# KiCad board LED_Matrix_Phone_Case.kicad_pcb (continued)
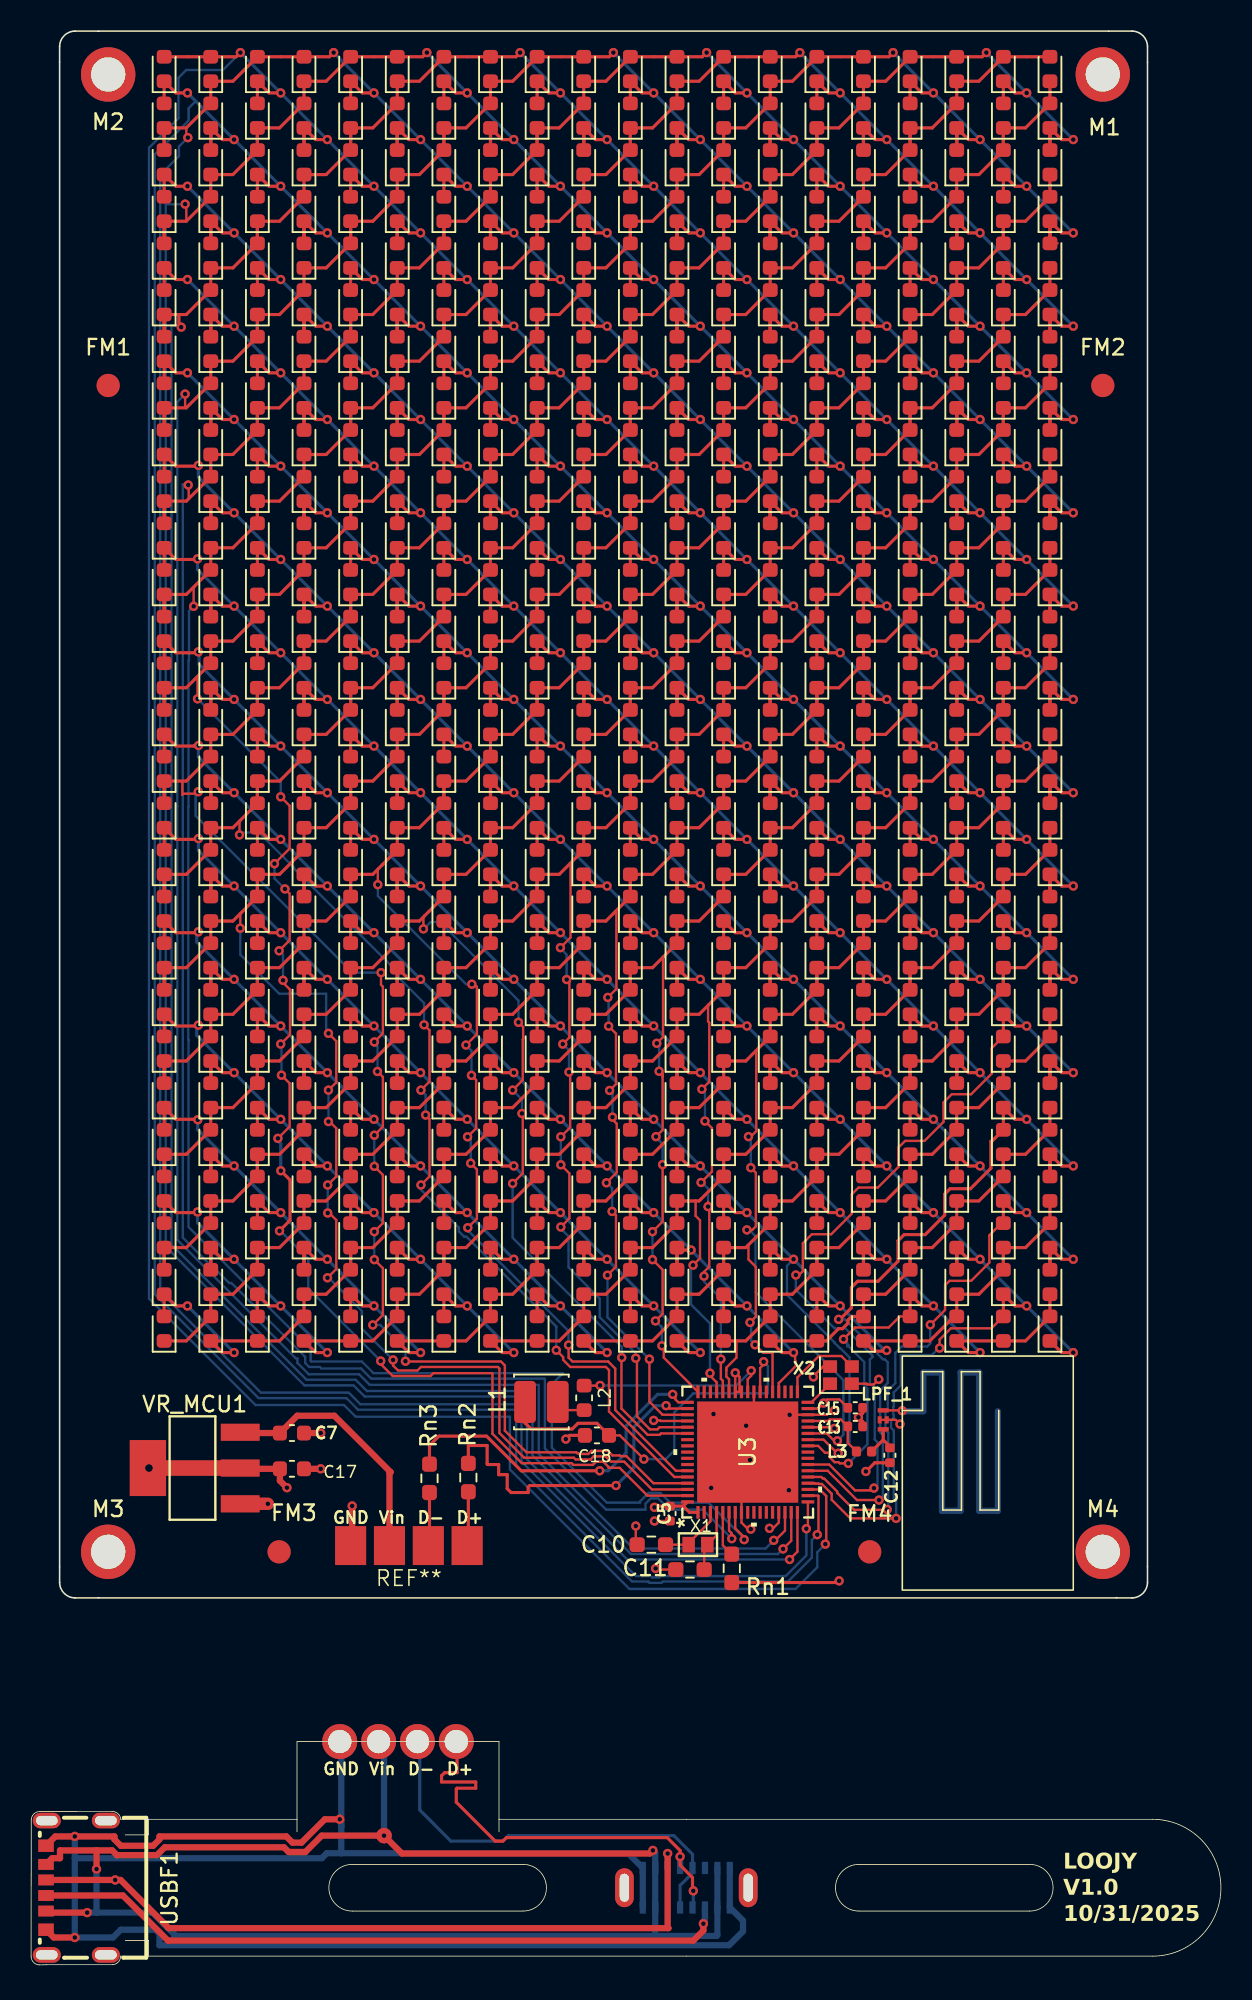
[diagram p0: board, top side]
## Nets (continued)
LED_24: REF**241.2 REF**242.1 REF**243.1 REF**284.2 REF**285.2 REF**286.1 REF**287.1 REF**328.2 REF**329.2 REF**330.1 REF**331.1 REF**372.2 REF**373.2 REF**374.1 REF**375.1 REF**416.2 REF**417.2 REF**418.1 REF**419.1 REF**460.2 REF**461.2 REF**462.1 REF**463.1 REF**504.2 REF**505.2 REF**506.1 REF**507.1 REF**517.1 REF**518.2 REF**520.1 REF**548.2 REF**549.2 REF**550.1 REF**551.1 REF**553.1 REF**554.2 REF**556.1 REF**#3.2 U3.28
LED_25: REF**317.1 REF**318.2 REF**320.1 REF**353.1 REF**354.2 REF**356.1 REF**359.2 REF**389.1 REF**390.2 REF**392.1 REF**395.2 REF**425.1 REF**426.2 REF**428.1 REF**431.2 REF**441.2 REF**442.1 REF**443.1 REF**461.1 REF**462.2 REF**464.1 REF**467.2 REF**484.2 REF**485.2 REF**486.1 REF**487.1 REF**497.1 REF**498.2 REF**500.1 REF**503.2 REF**528.2 REF**529.2 REF**530.1 REF**531.1 REF**533.1 REF**534.2 REF**536.1 REF**539.2 U3.29
LED_26: REF**321.2 REF**322.1 REF**323.1 REF**364.2 REF**365.2 REF**366.1 REF**367.1 REF**408.2 REF**409.2 REF**410.1 REF**411.1 REF**437.1 REF**438.2 REF**440.1 REF**452.2 REF**453.2 REF**454.1 REF**455.1 REF**473.1 REF**474.2 REF**476.1 REF**479.2 REF**496.2 REF**497.2 REF**498.1 REF**499.1 REF**509.1 REF**510.2 REF**512.1 REF**515.2 REF**540.2 REF**541.2 REF**542.1 REF**543.1 REF**545.1 REF**546.2 REF**548.1 REF**551.2 U3.46
LED_27: REF**277.1 REF**278.2 REF**280.1 REF**313.1 REF**314.2 REF**316.1 REF**319.2 REF**349.1 REF**350.2 REF**352.1 REF**355.2 REF**385.1 REF**386.2 REF**388.1 REF**391.2 REF**421.1 REF**422.2 REF**424.1 REF**427.2 REF**457.1 REF**458.2 REF**460.1 REF**463.2 REF**481.2 REF**482.1 REF**483.1 REF**493.1 REF**494.2 REF**496.1 REF**499.2 REF**524.2 REF**525.2 REF**526.1 REF**527.1 REF**529.1 REF**530.2 REF**532.1 REF**535.2 U3.47
LED_28: REF**357.1 REF**358.2 REF**360.1 REF**393.1 REF**394.2 REF**396.1 REF**399.2 REF**401.2 REF**402.1 REF**403.1 REF**429.1 REF**430.2 REF**432.1 REF**435.2 REF**444.2 REF**445.2 REF**446.1 REF**447.1 REF**465.1 REF**466.2 REF**468.1 REF**471.2 REF**488.2 REF**489.2 REF**490.1 REF**491.1 REF**501.1 REF**502.2 REF**504.1 REF**507.2 REF**532.2 REF**533.2 REF**534.1 REF**535.1 REF**537.1 REF**538.2 REF**540.1 REF**543.2 U3.48
SERIAL_D+: REF**#2.4 REF**#5.4 Rn2.1 Rn2.2 U3.53 USBM1.4 USBM1.12
SERIAL_D-: REF**#2.3 REF**#5.3 Rn3.1 Rn3.2 U3.52 USBM1.5 USBM1.13

Pads without a net: U3 2 9 10 11 12 13 25 26 36 37 40 49 50 58 59 60 61 62; USBF1 7; USBM1 6 14 17 18

## Via types
v1: diameter 0.6, hole 0.3, Top to Bottom, 451 vias
v2: diameter 1, hole 0.5, Top to Bottom, 1 via
v3: diameter 1, hole 0.3, Top to Bottom, 1 via

## Routing (per net, layer and track width the routed paths; a pad name or vN(x,y) marks a point on that pad's centre or on a via; arc(x,y) is an arc through that point)
/3.3V_PHONE: length 31.7
  Top w0.15: U3.55 40.51,34.97 40.47,35.01 v1(40.06,35.01) ; v1(47.51,28.07) 47.74,28.07 48.11,28.44 U3.14 ; v1(45.31,38.07) U3.45 U3.44 45.58,36.97 45.58,37.82 45.56,37.82 v1(45.31,38.07) ; v1(45.31,38.07) 45.36,38.12 ; U3.33 50.64,35.77 v1(51,36.13) 51.23,36.36 52.01,36.36 C15.2 ; v1(51.69,34.5) 51.44,34.5 51.36,34.57 U3.30
  Top w0.2: 41.97,29.5 42.37,29.1 42.91,29.1 ; 41.97,29.5 C5.1 40.19,29.5 v1(40.11,29.42) ; 41.97,29.5 42.24,29.77 ; 51.96,24.56 51.94,24.59 Rn1.1
  Top w0.4: v1(16.46,30.69) 16.01,31.14 C17.1 13.51,31.9 VR_MCU1.2
  Top w1: VR_MCU1.4 v2(7.59,31.95) VR_MCU1.2
  vias: v1(51.99,24.69)
GND: length 160.7
  Top w0.15: 46.46,28.02 46.13,28.02 45.71,28.44 U3.8 45.71,32.57 U3.69 ; v1(40.19,25.49) 40.26,25.42 C11.2 ; U3.69 46.51,33.37 U3.42 ; U3.69 48.51,35.37 U3.32 51.21,35.37 51.51,35.67 51.67,35.67 v1(51.69,35.65) ; v1(55.91,34.77) 55.64,35.05 LPF_1.4 LPF_1.2 ; C5.2 v1(40.11,28.54) 40.03,28.54 ; X2.2 53.76,37.37 53.81,37.32 54.21,37.32 v1(54.55,37.65) ; v1(38.91,28.22) 38.91,27.11 C10.2 ; 50.31,37.82 50.96,38.47 X2.4
  Top w0.2: C13.2 53.51,34.94 v1(53.24,35.21) 53.51,35.49 C15.1 ; C12.2 54.29,32.29 53.71,31.71 ; 20.66,26.82 20.64,26.8 ; C18.2 34.65,34.05 v1(34.41,33.81)
  Top w0.4: v1(19.86,9.36) 18.9,9.36 17.4,7.86 16.82,7.86 16.42,8.26 8.26,8.26 8.26,8.07 7.85,7.66 5.77,7.66 5.36,8.07 5.36,8.26 v1(2.81,8.26) 1.56,8.26 USBF1.A12 ; REF**#2.1 20.66,27.06 v1(20.66,29.51) 20.64,29.49 ; C7.2 v1(18.64,34.2) ; v1(2.81,1.76) 1.46,1.76 USBF1.B12 ; 20.64,29.44 20.66,29.46 ; C17.2 v1(18.64,31.9)
  Top w0.8: VR_MCU1.1 v1(15.24,29.65)
  Bottom w0.4: 2.81,6.86 18.71,6.86 19.03,7.18 19.96,7.18 ; 2.81,6.86 v1(2.81,8.26) ; 2.81,6.86 v1(2.81,1.76) 5.27,1.76 5.77,2.26 8.01,2.26 8.26,2.01 8.26,1.26 44.91,1.26 45.81,2.16 45.81,2.84 USBM1.1 USBM1.16 ; 19.86,13.66 19.96,13.66 19.96,8.86 ; v1(19.86,9.36) 19.96,9.26 19.96,8.86 ; USBM1.8 USBM1.9 38.43,7.16 36.01,7.16 36.01,7.16 35.21,7.16 35.19,7.18 19.96,7.18 ; 19.96,7.18 19.96,8.86
  vias: v1(43.76,30.67) v1(43.91,35.42) v1(46.01,34.67) v1(46.26,32.47) v1(46.31,28.02) v1(48.81,35.37) v1(48.76,30.52) v1(50.34,37.81) v1(53.72,31.73)
/ANTENNA: length 42.9
  Top w0.15: v1(56.05,35.63) 56.03,35.66 LPF_1.3
  Bottom w0.4: 56.11,35.6 57.41,35.6 57.41,38.1 58.61,38.1 58.61,29.2 59.81,29.2 59.81,38.1 61.01,38.1 61.01,29.2 62.21,29.2 62.21,35.6
/CC1: length 45.2
  Top w0.4: v1(43.26,2.65) 43.26,2.21 42.61,1.56 8.81,1.56 5.91,4.46 USBF1.A5
  Bottom w0.4: USBM1.3 43.36,2.91 43.21,2.76
/CC2: length 47.1
  Top w0.4: v1(40.96,7.16) 40.96,2.41 41.01,2.36 8.86,2.36 5.76,5.46 v1(5.41,5.46) USBF1.B5
  Bottom w0.4: USBM1.11 v1(40.96,7.16)
/HSE_IN: length 5.3
  Top w0.15: U3.35 49.31,37.78 50.69,39.15 52.14,39.15 X2.3
/HSE_OUT: length 1.9
  Top w0.15: U3.34 50.21,36.17 X2.1
/LSE_IN: length 4.1
  Top w0.15: C10.1 X1.2 42.31,27.12 43.71,28.52 U3.3
/LSE_OUT: length 4
  Top w0.15: U3.4 44.11,27.62 X1.1 43.31,26.82 C11.1
/Matching_Network: length 2.4
  Top w0.2: L3.2 54.83,33.76 ; 54.83,33.76 LPF_1.1 ; 54.83,33.76 55.26,33.33 C12.1
/RF1: length 4.6
  Top w0.15: U3.31 51.3,34.97 51.39,35.07 52.1,35.07 C13.1 52.55,33.57 L3.1
/SMPSFB: length 26.6
  Top w0.15: v1(47.14,38.79) 47.14,38.61 46.91,38.38 U3.41 ; 31.31,35.22 31.31,36.2 ; 37.19,34.05 37.89,34.05 38.59,33.35 38.61,33.35 v1(39.43,32.52)
  Top w0.2: 37.19,34.05 36.41,34.82 35.19,34.82 34.82,34.46 32.17,34.46 31.79,34.85 L1.2
  Bottom w0.15: v1(47.14,38.79) 47.41,38.51 47.41,36.75 42.59,36.75 42.59,36.72 41.39,35.52 41.39,33.07 40.83,32.52 v1(39.43,32.52)
/SMPSLX: length 12.8
  Top w0.15: U3.43 46.11,37.66 46.34,37.89 v1(46.34,38.21) ; L2.1 36.6,37.25 v1(36.61,37.26)
  Bottom w0.15: 46.11,38.21 v1(46.34,38.21) 45.39,37.26 v1(36.61,37.26)
/SMPSLXL: length 1.9
  Top w0.15: L1.1 34.41,35.67 L2.2
/USB_BOOT0: length 2.9
  Top w0.15: Rn1.2 44.51,26.99 U3.5
/USB_M_IN_5V: length 121.1
  Top w0.4: v1(4.21,6.16) 4.21,7.36 ; 4.21,7.36 1.86,7.36 1.86,6.86 1.36,6.86 USBF1.A9 ; 4.21,7.36 5.22,7.36 5.52,7.06 8.1,7.06 8.6,7.56 16.27,7.56 16.57,7.26 17.65,7.26 18.7,8.31 v3(22.71,8.31) 23.86,7.16 39.81,7.16 v1(40.01,7.36) ; REF**#2.2 23.06,31.61 23.14,31.69 19.51,35.31 17.12,35.31 C7.1 13.51,34.2 VR_MCU1.3 ; v1(3.61,3.36) 1.06,3.36 USBF1.B9
  Bottom w0.4: USBM1.15 USBM1.2 44.16,1.91 44.11,1.86 40.21,1.86 ; 40.21,1.86 40.16,1.91 USBM1.7 USBM1.10 40.16,7.21 v1(40.01,7.36) ; 40.21,1.86 9.21,1.86 9.21,1.96 7.81,3.36 4.21,3.36 ; 22.36,13.66 22.71,13.66 v3(22.71,8.31) ; 4.21,3.36 v1(4.21,6.16) ; 4.21,3.36 v1(3.61,3.36)
LED_0: length 247.5
  Top w0.15: U3.15 48.51,27.92 47.89,27.3 ; 9.99,100.12 9.91,100.2 v1(9.91,101.01)
  Top w0.2: REF**127.2 12.99,103.12 REF**124.1 REF**122.2 9.99,100.12 REF**121.1 REF**163.2 8.56,100.16 ; REF**127.2 14.56,106.16 ; REF**127.2 REF**85.1 15.99,106.12 REF**86.2 REF**88.1 18.99,109.12 REF**91.2 ; v1(43.06,117.37) 42.31,117.37 REF**22.1 REF**64.2 ; REF**91.2 20.56,112.16 ; REF**91.2 REF**49.1 21.99,112.12 REF**50.2 REF**52.1 24.99,115.12 REF**55.2 ; v1(37.47,122.97) 37.2,122.7 REF**20.2 REF**19.2 30.99,121.12 REF**16.1 REF**14.2 27.99,118.12 REF**13.1 REF**55.2 ; REF**109.2 REF**111.1 51.31,108.37 v1(52.06,108.37) ; REF**153.2 REF**155.1 57.31,102.37 v1(58.06,102.37) ; REF**108.2 47.56,112.16 REF**108.2 ; REF**108.2 REF**66.1 48.31,111.37 v1(49.06,111.37) ; REF**197.2 REF**199.1 63.31,96.37 v1(64.06,96.37) ; v1(55.06,105.37) 54.31,105.37 REF**110.1 REF**152.2 ; REF**152.2 53.56,106.16 REF**152.2 ; REF**21.2 REF**23.1 39.31,120.37 v1(40.06,120.37) ; REF**64.2 41.56,118.16 REF**64.2 ; REF**196.2 REF**154.1 60.31,99.37 v1(61.06,99.37) ; REF**196.2 59.56,100.16 REF**196.2 ; v1(67.06,93.37) 66.31,93.37 REF**198.1 REF**240.2 ; REF**240.2 65.56,94.16 REF**240.2 ; REF**55.2 26.56,118.16 ; REF**65.2 REF**67.1 45.31,114.37 v1(46.06,114.37)
  Bottom w0.15: v1(9.91,101.01) 9.41,100.51 9.41,74.51 9.41,74.51 9.41,46.62 17.04,39 17.14,39 17.14,38.71 17.87,37.98 21.11,37.98 21.79,37.3 32.66,37.3 32.66,32.86 38.75,26.77 47.26,26.77 v1(47.79,27.3)
  Bottom w0.2: v1(37.47,122.97) v1(40.06,120.37) v1(43.06,117.37) v1(46.06,114.37) v1(49.06,111.37) v1(52.06,108.37) v1(55.06,105.37) v1(58.06,102.37) v1(61.06,99.37) v1(64.06,96.37) v1(67.06,93.37)
LED_1: length 260
  Top w0.15: v1(48.39,26.75) 48.91,27.27 U3.16
  Top w0.2: REF**60.2 35.56,118.16 REF**60.2 ; REF**60.2 REF**18.1 36.31,117.37 v1(37.06,117.37) ; REF**51.2 REF**9.1 21.99,118.12 REF**10.2 REF**12.1 24.99,121.12 REF**15.2 REF**16.2 31.2,122.7 v1(31.47,122.97) ; REF**51.2 18.99,115.12 REF**48.1 REF**46.2 15.99,112.12 REF**45.1 REF**87.2 ; REF**51.2 20.56,118.16 ; v1(55.06,99.37) 54.31,99.37 REF**150.1 REF**192.2 ; REF**192.2 53.56,100.16 REF**192.2 ; v1(34.06,120.37) 33.31,120.37 REF**19.1 REF**17.2 ; REF**148.2 47.56,106.16 REF**148.2 ; REF**148.2 REF**106.1 48.31,105.37 v1(49.06,105.37) ; REF**236.2 59.56,94.16 REF**236.2 ; REF**236.2 REF**194.1 60.31,93.37 v1(61.06,93.37) ; v1(9.66,105.31) 9.51,105.46 9.51,106.12 ; v1(67.06,87.37) 66.31,87.37 REF**238.1 REF**280.2 ; REF**237.2 REF**239.1 63.31,90.37 v1(64.06,90.37) ; REF**61.2 REF**63.1 39.31,114.37 v1(40.06,114.37) ; REF**280.2 65.56,88.16 REF**280.2 ; REF**280.2 65.57,86.71 ; REF**193.2 REF**195.1 57.31,96.37 v1(58.06,96.37) ; 9.51,106.12 9.99,106.12 REF**82.2 REF**84.1 12.99,109.12 REF**87.2 ; 9.51,106.12 REF**81.1 REF**123.2 8.56,106.16 ; REF**104.2 41.56,112.16 REF**104.2 ; REF**104.2 REF**62.1 42.31,111.37 v1(43.06,111.37) ; REF**105.2 REF**107.1 45.31,108.37 v1(46.06,108.37) ; v1(52.06,102.37) 51.31,102.37 REF**151.1 REF**149.2 ; REF**87.2 14.56,112.16
  Bottom w0.15: 9.04,105.41 9.04,46.31 17.72,37.62 20.89,37.62 21.61,36.9 32.26,36.9 32.26,32.76 38.6,26.42 48.05,26.42 v1(48.39,26.75)
  Bottom w0.2: v1(67.06,87.37) v1(64.06,90.37) v1(61.06,93.37) v1(58.06,96.37) v1(55.06,99.37) v1(52.06,102.37) v1(49.06,105.37) v1(46.06,108.37) v1(43.06,111.37) v1(40.06,114.37) v1(37.06,117.37) v1(34.06,120.37) v1(31.47,122.97) ; v1(9.66,105.31) 9.56,105.41 9.04,105.41
LED_2: length 276.4
  Top w0.15: 9.99,112.12 9.99,113.15 v1(9.91,113.22) ; U3.17 49.31,26.57 v1(48.81,26.07)
  Top w0.2: v1(46.06,102.37) 45.31,102.37 REF**147.1 REF**145.2 ; REF**100.2 35.56,112.16 REF**100.2 ; REF**100.2 REF**58.1 36.31,111.37 v1(37.06,111.37) ; REF**57.2 REF**59.1 33.31,114.37 v1(34.06,114.37) ; REF**101.2 REF**103.1 39.31,108.37 v1(40.06,108.37) ; REF**188.2 REF**146.1 48.31,99.37 v1(49.06,99.37) ; REF**188.2 47.56,100.16 REF**188.2 ; REF**276.2 59.56,88.16 REF**276.2 ; REF**276.2 REF**234.1 60.31,87.37 v1(61.06,87.37) ; v1(58.06,90.37) 57.31,90.37 REF**235.1 REF**233.2 ; v1(43.06,105.37) 42.31,105.37 REF**102.1 REF**144.2 ; REF**47.2 REF**5.1 15.99,118.12 REF**6.2 REF**8.1 18.99,121.12 REF**11.2 REF**12.2 25.2,122.7 v1(25.47,122.97) ; REF**47.2 12.99,115.12 REF**44.1 REF**42.2 9.99,112.12 REF**41.1 REF**83.2 8.56,112.16 ; REF**47.2 14.56,118.16 ; REF**144.2 41.56,106.16 REF**144.2 ; REF**232.2 REF**190.1 54.31,93.37 v1(55.06,93.37) ; REF**232.2 53.56,94.16 REF**232.2 ; v1(64.06,84.37) 63.31,84.37 REF**279.1 REF**277.2 ; REF**189.2 REF**191.1 51.31,96.37 v1(52.06,96.37) ; REF**56.2 29.56,118.16 REF**56.2 ; REF**56.2 REF**14.1 30.31,117.37 v1(31.06,117.37) ; v1(28.06,120.37) 27.31,120.37 REF**15.1 REF**13.2 ; REF**320.2 65.56,82.16 REF**320.2 ; REF**320.2 REF**278.1 66.31,81.37 v1(67.06,81.37)
  Bottom w0.15: 9.94,113.25 v1(9.91,113.22) 9.9,113.21 8.66,113.21 8.66,46.19 17.59,37.26 20.75,37.26 21.47,36.55 31.91,36.55 31.91,32.51 38.35,26.07 v1(48.81,26.07)
  Bottom w0.2: v1(25.47,122.97) v1(28.06,120.37) v1(31.06,117.37) v1(34.06,114.37) v1(37.06,111.37) v1(40.06,108.37) v1(43.06,105.37) v1(46.06,102.37) v1(49.06,99.37) v1(52.06,96.37) v1(55.06,93.37) v1(58.06,90.37) v1(61.06,87.37) v1(64.06,84.37) v1(67.06,81.37)
LED_3: length 290.2
  Top w0.15: v1(10.09,117.5) 9.99,117.6 9.99,118.12 ; U3.18 49.98,28.15 v1(49.89,28.05)
  Top w0.2: REF**228.2 47.56,94.16 REF**228.2 ; REF**228.2 REF**186.1 48.31,93.37 v1(49.06,93.37) ; v1(25.06,117.37) 24.31,117.37 REF**10.1 REF**52.2 ; v1(43.06,99.37) 42.31,99.37 REF**142.1 REF**184.2 ; REF**52.2 23.56,118.16 REF**52.2 ; REF**184.2 41.56,100.16 REF**184.2 ; REF**272.2 53.56,88.16 REF**272.2 ; REF**272.2 REF**230.1 54.31,87.37 v1(55.06,87.37) ; REF**96.2 29.56,112.16 REF**96.2 ; REF**96.2 REF**54.1 30.31,111.37 v1(31.06,111.37) ; v1(40.06,102.37) 39.31,102.37 REF**143.1 REF**141.2 ; v1(64.06,78.37) 63.31,78.37 REF**319.1 REF**317.2 ; v1(22.06,120.37) 21.31,120.37 REF**11.1 REF**9.2 ; REF**316.2 REF**274.1 60.31,81.37 v1(61.06,81.37) ; REF**316.2 59.56,82.16 REF**316.2 ; v1(46.06,96.37) 45.31,96.37 REF**187.1 REF**185.2 ; v1(28.06,114.37) 27.31,114.37 REF**55.1 REF**53.2 ; REF**140.2 35.56,106.16 REF**140.2 ; REF**140.2 REF**98.1 36.31,105.37 v1(37.06,105.37) ; REF**97.2 REF**99.1 33.31,108.37 v1(34.06,108.37) ; REF**360.2 REF**318.1 66.31,75.37 v1(67.06,75.37) ; REF**360.2 65.56,76.16 REF**360.2 ; REF**273.2 REF**275.1 57.31,84.37 v1(58.06,84.37) ; v1(19.47,122.97) 19.2,122.7 REF**8.2 REF**7.2 12.99,121.12 REF**4.1 REF**2.2 9.99,118.12 REF**1.1 REF**43.2 8.56,118.16 ; v1(52.06,90.37) 51.31,90.37 REF**231.1 REF**229.2
  Bottom w0.15: v1(10.09,117.5) 9.51,116.92 9.51,116.31 8.31,115.11 8.31,43.28 14.79,36.8 20.44,36.8 21.19,36.05 31.56,36.05 31.56,32.36 38.92,25 39.72,25 39.79,25.07 39.95,24.92 40.42,24.92 40.5,25 48.55,25 49.89,26.33 v1(49.89,28.05)
  Bottom w0.2: v1(67.06,75.37) v1(64.06,78.37) v1(61.06,81.37) v1(58.06,84.37) v1(55.06,87.37) v1(52.06,90.37) v1(49.06,93.37) v1(46.06,96.37) v1(43.06,99.37) v1(40.06,102.37) v1(37.06,105.37) v1(34.06,108.37) v1(31.06,111.37) v1(28.06,114.37) v1(25.06,117.37) v1(22.06,120.37) v1(19.47,122.97)
LED_4: length 310.1
  Top w0.15: v1(50.59,27.67) 50.67,27.74 50.67,30.15 50.64,30.17 U3.19
  Top w0.2: REF**133.2 REF**135.1 27.31,102.37 v1(28.06,102.37) ; v1(19.06,111.37) 18.31,111.37 REF**46.1 REF**88.2 ; REF**440.2 REF**398.1 66.31,63.37 v1(67.06,63.37) ; REF**440.2 65.56,64.16 REF**440.2 ; v1(58.06,72.37) 57.31,72.37 REF**355.1 REF**353.2 ; v1(64.06,66.37) 63.31,66.37 REF**399.1 REF**397.2 ; REF**396.2 59.56,70.16 REF**396.2 ; REF**396.2 REF**354.1 60.31,69.37 v1(61.06,69.37) ; REF**44.2 11.56,118.16 REF**44.2 ; REF**44.2 REF**2.1 12.31,117.37 v1(13.06,117.37) ; REF**308.2 47.56,82.16 REF**308.2 ; REF**308.2 REF**266.1 48.31,81.37 v1(49.06,81.37) ; REF**89.2 REF**91.1 21.31,108.37 v1(22.06,108.37) ; REF**352.2 53.56,76.16 REF**352.2 ; REF**352.2 REF**310.1 54.31,75.37 v1(55.06,75.37) ; REF**221.2 REF**223.1 39.31,90.37 v1(40.06,90.37) ; REF**309.2 REF**311.1 51.31,78.37 v1(52.06,78.37) ; REF**264.2 41.56,88.16 REF**264.2 ; REF**264.2 REF**222.1 42.31,87.37 v1(43.06,87.37) ; REF**88.2 17.56,112.16 REF**88.2 ; REF**220.2 REF**178.1 36.31,93.37 v1(37.06,93.37) ; REF**220.2 35.56,94.16 REF**220.2 ; REF**265.2 REF**267.1 45.31,84.37 v1(46.06,84.37) ; REF**176.2 29.56,100.16 REF**176.2 ; REF**176.2 REF**134.1 30.31,99.37 v1(31.06,99.37) ; REF**132.2 REF**90.1 24.31,105.37 v1(25.06,105.37) ; REF**132.2 23.56,106.16 REF**132.2 ; REF**177.2 REF**179.1 33.31,96.37 v1(34.06,96.37) ; v1(10.06,120.37) 9.31,120.37 REF**3.1 REF**1.2 ; REF**45.2 REF**47.1 15.31,114.37 v1(16.06,114.37)
  Bottom w0.15: 10.59,119.84 10.14,119.39 10.14,118.6 7.96,116.42 7.96,43.13 14.64,36.45 20.29,36.45 21.04,35.7 31.21,35.7 31.21,32.11 38.67,24.65 39.72,24.65 39.8,24.57 40.57,24.57 40.65,24.65 48.7,24.65 50.24,26.19 50.24,27.31 v1(50.59,27.67) ; 10.14,120.3 v1(10.06,120.37)
  Bottom w0.2: v1(10.06,120.37) v1(13.06,117.37) v1(16.06,114.37) v1(19.06,111.37) v1(22.06,108.37) v1(25.06,105.37) v1(28.06,102.37) v1(31.06,99.37) v1(34.06,96.37) v1(37.06,93.37) v1(40.06,90.37) v1(43.06,87.37) v1(46.06,84.37) v1(49.06,81.37) v1(52.06,78.37) v1(55.06,75.37) v1(58.06,72.37) v1(61.06,69.37) v1(64.06,66.37) v1(67.06,63.37)
LED_5: length 308.8
  Top w0.15: v1(51.11,27.06) 51.16,27.11 51.16,30.15 50.74,30.57 U3.20
  Top w0.2: v1(55.06,81.37) 54.31,81.37 REF**270.1 REF**312.2 ; REF**269.2 REF**271.1 51.31,84.37 v1(52.06,84.37) ; REF**180.2 35.56,100.16 REF**180.2 ; REF**180.2 REF**138.1 36.31,99.37 v1(37.06,99.37) ; REF**400.2 REF**358.1 66.31,69.37 v1(67.06,69.37) ; REF**400.2 65.56,70.16 REF**400.2 ; REF**136.2 29.56,106.16 REF**136.2 ; REF**136.2 REF**94.1 30.31,105.37 v1(31.06,105.37) ; REF**48.2 17.56,118.16 REF**48.2 ; REF**48.2 REF**6.1 18.31,117.37 v1(19.06,117.37) ; REF**93.2 REF**95.1 27.31,108.37 v1(28.06,108.37) ; REF**224.2 41.56,94.16 REF**224.2 ; REF**224.2 REF**182.1 42.31,93.37 v1(43.06,93.37) ; v1(49.06,87.37) 48.31,87.37 REF**226.1 REF**268.2 ; v1(34.06,102.37) 33.31,102.37 REF**139.1 REF**137.2 ; REF**92.2 REF**50.1 24.31,111.37 v1(25.06,111.37) ; REF**92.2 23.56,112.16 REF**92.2 ; v1(40.06,96.37) 39.31,96.37 REF**183.1 REF**181.2 ; v1(46.06,90.37) 45.31,90.37 REF**227.1 REF**225.2 ; REF**49.2 REF**51.1 21.31,114.37 v1(22.06,114.37) ; REF**312.2 53.56,82.16 REF**312.2 ; v1(13.47,122.97) 13.2,122.7 REF**4.2 REF**3.2 ; v1(61.06,75.37) 60.31,75.37 REF**314.1 REF**356.2 ; REF**357.2 REF**359.1 63.31,72.37 v1(64.06,72.37) ; REF**268.2 47.56,88.16 REF**268.2 ; REF**356.2 59.56,76.16 REF**356.2 ; v1(58.06,78.37) 57.31,78.37 REF**315.1 REF**313.2 ; v1(16.06,120.37) 15.31,120.37 REF**7.1 REF**5.2
  Bottom w0.15: v1(51.11,27.06) 50.59,26.54 50.59,25.56 49.2,24.17 38.5,24.17 30.81,31.86 30.81,35.25 20.89,35.25 20.14,36 14.44,36 7.59,42.85 7.59,116.85 9.49,118.75 9.49,121.35 9.99,121.85 12.35,121.85 v1(13.47,122.97)
  Bottom w0.2: v1(13.47,122.97) v1(16.06,120.37) v1(19.06,117.37) v1(22.06,114.37) v1(25.06,111.37) v1(28.06,108.37) v1(31.06,105.37) v1(34.06,102.37) v1(37.06,99.37) v1(40.06,96.37) v1(43.06,93.37) v1(46.06,90.37) v1(49.06,87.37) v1(52.06,84.37) v1(55.06,81.37) v1(58.06,78.37) v1(61.06,75.37) v1(64.06,72.37) v1(67.06,69.37)
LED_6: length 196.3
  Top w0.15: v1(55.66,28.71) 52.71,28.71 51.52,29.91 51.52,30.3 50.89,30.92 50.67,30.92 50.67,30.95 50.47,30.95 50.45,30.97 U3.21 ; REF**#6.2 61.8,40.94 59.19,40.94 58.46,40.21 v1(58.46,39.66)
  Top w0.2: REF**512.2 REF**470.1 54.31,51.37 v1(55.06,51.37) ; REF**512.2 53.56,52.16 REF**512.2 ; v1(58.06,48.37) 57.31,48.37 REF**515.1 REF**513.2 ; v1(40.06,66.37) 39.31,66.37 REF**383.1 REF**381.2 ; REF**424.2 41.56,64.16 REF**424.2 ; REF**424.2 REF**382.1 42.31,63.37 v1(43.06,63.37) ; REF**292.2 REF**250.1 24.31,81.37 v1(25.06,81.37) ; REF**292.2 23.56,82.16 REF**292.2 ; v1(37.06,69.37) 36.31,69.37 REF**338.1 REF**380.2 ; REF**204.2 11.56,94.16 REF**204.2 ; REF**204.2 REF**162.1 12.31,93.37 v1(13.06,93.37) ; v1(67.06,39.37) 66.31,39.37 REF**#4.1 ; REF**336.2 29.56,76.16 REF**336.2 ; REF**336.2 REF**294.1 30.31,75.37 v1(31.06,75.37) ; REF**556.2 59.56,46.16 REF**556.2 ; REF**556.2 REF**514.1 60.31,45.37 v1(61.06,45.37) ; v1(16.06,90.37) 15.31,90.37 REF**207.1 REF**205.2 ; REF**337.2 REF**339.1 33.31,72.37 v1(34.06,72.37) ; REF**248.2 17.56,88.16 REF**248.2 ; REF**248.2 REF**206.1 18.31,87.37 v1(19.06,87.37) ; REF**380.2 35.56,70.16 REF**380.2 ; v1(49.06,57.37) 48.31,57.37 REF**426.1 REF**468.2 ; REF**#6.2 REF**#3.1 63.31,42.37 v1(64.06,42.37) ; REF**468.2 47.56,58.16 REF**468.2 ; v1(46.06,60.37) 45.31,60.37 REF**427.1 REF**425.2 ; v1(28.06,78.37) 27.31,78.37 REF**295.1 REF**293.2 ; 10.72,96.37 9.31,96.37 REF**163.1 REF**161.2 ; v1(52.06,54.37) 51.31,54.37 REF**471.1 REF**469.2 ; REF**249.2 REF**251.1 21.31,84.37 v1(22.06,84.37)
  Bottom w0.15: v1(55.66,28.71) 55.66,29.82 55.51,29.97 55.51,34.36 55.34,34.54 55.34,35.01 55.51,35.19 55.51,35.36 55.48,35.39 55.48,35.87 55.51,35.91 55.51,36.81 55.96,37.26 55.96,39.21 57.96,39.21 58.41,39.66
  Bottom w0.2: v1(67.06,39.37) v1(64.06,42.37) v1(61.06,45.37) v1(58.06,48.37) v1(55.06,51.37) v1(52.06,54.37) v1(49.06,57.37) v1(46.06,60.37) v1(43.06,63.37) v1(40.06,66.37) v1(37.06,69.37) v1(34.06,72.37) v1(31.06,75.37) v1(28.06,78.37) v1(25.06,81.37) v1(22.06,84.37) v1(19.06,87.37) v1(16.06,90.37) v1(13.06,93.37) 10.77,95.67 v1(10.77,96.42)
LED_7: length 204.1
  Top w0.15: v1(57.86,41.16) 58.81,42.11 58.81,43.7 59.09,43.99 60.49,43.99 61.66,45.16 61.66,46.91 62.45,47.7 REF**517.2 ; U3.22 50.85,31.37 50.95,31.28 51.03,31.28 51.87,30.44 51.87,30.36 52.96,29.26 55.06,29.26 v1(55.09,29.29)
  Top w0.2: REF**208.2 17.56,94.16 REF**208.2 ; REF**208.2 REF**166.1 18.31,93.37 v1(19.06,93.37) ; v1(10.06,102.37) 9.31,102.37 REF**123.1 REF**121.2 ; REF**384.2 REF**342.1 42.31,69.37 v1(43.06,69.37) ; REF**384.2 41.56,70.16 REF**384.2 ; REF**516.2 59.56,52.16 REF**516.2 ; REF**516.2 REF**474.1 60.31,51.37 v1(61.06,51.37) ; REF**472.2 53.56,58.16 REF**472.2 ; REF**472.2 REF**430.1 54.31,57.37 v1(55.06,57.37) ; REF**164.2 11.56,100.16 REF**164.2 ; REF**164.2 REF**122.1 12.31,99.37 v1(13.06,99.37) ; v1(49.06,63.37) 48.31,63.37 REF**386.1 REF**428.2 ; REF**340.2 REF**298.1 36.31,75.37 v1(37.06,75.37) ; REF**340.2 35.56,76.16 REF**340.2 ; v1(25.06,87.37) 24.31,87.37 REF**210.1 REF**252.2 ; v1(28.06,84.37) 27.31,84.37 REF**255.1 REF**253.2 ; REF**.2 65.56,46.16 REF**.2 ; REF**.2 REF**518.1 66.31,45.37 v1(67.06,45.37) ; REF**296.2 REF**254.1 30.31,81.37 v1(31.06,81.37) ; REF**296.2 29.56,82.16 REF**296.2 ; REF**341.2 REF**343.1 39.31,72.37 v1(40.06,72.37) ; REF**428.2 47.56,64.16 REF**428.2 ; REF**429.2 REF**431.1 51.31,60.37 v1(52.06,60.37) ; REF**473.2 REF**475.1 57.31,54.37 v1(58.06,54.37) ; v1(46.06,66.37) 45.31,66.37 REF**387.1 REF**385.2 ; REF**252.2 23.56,88.16 REF**252.2 ; REF**209.2 REF**211.1 21.31,90.37 v1(22.06,90.37) ; REF**517.2 REF**519.1 63.31,48.37 v1(64.06,48.37) ; v1(16.06,96.37) 15.31,96.37 REF**167.1 REF**165.2 ; REF**297.2 REF**299.1 33.31,78.37 v1(34.06,78.37)
  Bottom w0.15: v1(57.86,41.16) 57.86,39.96 57.66,39.76 56.01,39.76 55.61,39.36 55.61,37.41 55.12,36.92 55.12,35.71 54.98,35.57 54.98,34.39 55.16,34.21 55.16,29.36 v1(55.09,29.29)
  Bottom w0.2: v1(67.06,45.37) v1(64.06,48.37) v1(61.06,51.37) v1(58.06,54.37) v1(55.06,57.37) v1(52.06,60.37) v1(49.06,63.37) v1(46.06,66.37) v1(43.06,69.37) v1(40.06,72.37) v1(37.06,75.37) v1(34.06,78.37) v1(31.06,81.37) v1(28.06,84.37) v1(25.06,87.37) v1(22.06,90.37) v1(19.06,93.37) v1(16.06,96.37) v1(13.06,99.37) v1(10.06,102.37)
LED_8: length 212.6
  Top w0.15: U3.23 51.26,31.77 53.14,29.89 v1(54.56,29.89)
  Top w0.2: REF**300.2 35.56,82.16 REF**300.2 ; REF**300.2 REF**258.1 36.31,81.37 v1(37.06,81.37) ; v1(22.06,96.37) 21.31,96.37 REF**171.1 REF**169.2 ; REF**432.2 53.56,64.16 REF**432.2 ; REF**432.2 REF**390.1 54.31,63.37 v1(55.06,63.37) ; REF**81.2 REF**83.1 9.31,108.37 v1(10.06,108.37) ; v1(64.06,54.37) 63.31,54.37 REF**479.1 REF**477.2 61.82,52.96 61.76,52.96 61.76,51.22 60.45,49.91 59.13,49.91 58.79,49.56 58.79,48.21 57.53,46.96 56.18,46.96 55.79,46.56 55.79,45.25 54.5,43.96 53.18,43.96 52.79,43.56 52.79,42.25 52.05,41.51 v1(51.96,41.51) ; v1(43.06,75.37) 42.31,75.37 REF**302.1 REF**344.2 ; v1(19.06,99.37) 18.31,99.37 REF**126.1 REF**168.2 ; v1(16.06,102.37) 15.31,102.37 REF**127.1 REF**125.2 ; REF**345.2 REF**347.1 45.31,72.37 v1(46.06,72.37) ; REF**520.2 65.56,52.16 REF**520.2 ; REF**520.2 REF**478.1 66.31,51.37 v1(67.06,51.37) ; REF**168.2 17.56,100.16 REF**168.2 ; v1(52.06,66.37) 51.31,66.37 REF**391.1 REF**389.2 ; v1(40.06,78.37) 39.31,78.37 REF**303.1 REF**301.2 ; REF**256.2 29.56,88.16 REF**256.2 ; REF**256.2 REF**214.1 30.31,87.37 v1(31.06,87.37) ; REF**344.2 41.56,76.16 REF**344.2 ; REF**388.2 47.56,70.16 REF**388.2 ; REF**388.2 REF**346.1 48.31,69.37 v1(49.06,69.37) ; REF**124.2 REF**82.1 12.31,105.37 v1(13.06,105.37) ; REF**124.2 11.56,106.16 REF**124.2 ; v1(58.06,60.37) 57.31,60.37 REF**435.1 REF**433.2 ; REF**213.2 REF**215.1 27.31,90.37 v1(28.06,90.37) ; v1(25.06,93.37) 24.31,93.37 REF**170.1 REF**212.2 ; v1(34.06,84.37) 33.31,84.37 REF**259.1 REF**257.2 ; REF**476.2 59.56,58.16 REF**476.2 ; REF**476.2 REF**434.1 60.31,57.37 v1(61.06,57.37) ; REF**212.2 23.56,94.16 REF**212.2
  Bottom w0.15: 9.91,108.37 v1(10.06,108.37) ; v1(54.56,29.89) 54.81,30.14 54.81,34.07 54.63,34.24 54.63,36.92 54.77,37.07 54.77,37.07 55.12,37.41 55.12,38.75 54.94,38.94 54.82,38.94 54.48,39.27 54.48,39.33 54.39,39.43 54.39,39.49 52.36,41.51 52.01,41.51
  Bottom w0.2: v1(10.06,108.37) v1(13.06,105.37) v1(16.06,102.37) v1(19.06,99.37) v1(22.06,96.37) v1(25.06,93.37) v1(28.06,90.37) v1(31.06,87.37) v1(34.06,84.37) v1(37.06,81.37) v1(40.06,78.37) v1(43.06,75.37) v1(46.06,72.37) v1(49.06,69.37) v1(52.06,66.37) v1(55.06,63.37) v1(58.06,60.37) v1(61.06,57.37) v1(64.06,54.37) v1(67.06,51.37)
LED_9: length 220.1
  Top w0.15: U3.24 51.36,32.17 53.02,30.51 54.01,30.51 54.16,30.66 v1(54.23,30.66) ; REF**437.2 61.81,58.95 61.81,57.31 60.49,55.99 59.24,55.99 58.71,55.45 58.71,54.21 57.49,52.99 56.24,52.99 55.81,52.55 55.81,51.31 54.49,49.99 53.24,49.99 52.81,49.55 52.81,48.31 51.49,46.99 50.24,46.99 49.66,46.4 49.66,44.61 49.41,44.36 v1(49.21,44.36)
  Top w0.2: REF**84.2 11.56,112.16 REF**84.2 ; REF**84.2 REF**42.1 12.31,111.37 v1(13.06,111.37) ; v1(46.06,78.37) 45.31,78.37 REF**307.1 REF**305.2 ; REF**41.2 REF**43.1 9.31,114.37 v1(10.06,114.37) ; REF**436.2 REF**394.1 60.31,63.37 v1(61.06,63.37) ; REF**436.2 59.56,64.16 REF**436.2 ; REF**304.2 REF**262.1 42.31,81.37 v1(43.06,81.37) ; REF**304.2 41.56,82.16 REF**304.2 ; REF**128.2 17.56,106.16 REF**128.2 ; REF**128.2 REF**86.1 18.31,105.37 v1(19.06,105.37) ; REF**437.2 REF**439.1 63.31,60.37 v1(64.06,60.37) ; REF**349.2 REF**351.1 51.31,72.37 v1(52.06,72.37) ; REF**216.2 29.56,94.16 REF**216.2 ; REF**216.2 REF**174.1 30.31,93.37 v1(31.06,93.37) ; v1(22.06,102.37) 21.31,102.37 REF**131.1 REF**129.2 ; REF**348.2 REF**306.1 48.31,75.37 v1(49.06,75.37) ; REF**348.2 47.56,76.16 REF**348.2 ; v1(34.06,90.37) 33.31,90.37 REF**219.1 REF**217.2 ; v1(67.06,57.37) 66.31,57.37 REF**438.1 REF**480.2 ; REF**480.2 65.56,58.16 REF**480.2 ; REF**393.2 REF**395.1 57.31,66.37 v1(58.06,66.37) ; REF**260.2 35.56,88.16 REF**260.2 ; REF**260.2 REF**218.1 36.31,87.37 v1(37.06,87.37) ; v1(25.06,99.37) 24.31,99.37 REF**130.1 REF**172.2 ; v1(16.06,108.37) 15.31,108.37 REF**87.1 REF**85.2 ; v1(28.06,96.37) 27.31,96.37 REF**175.1 REF**173.2 ; REF**392.2 53.56,70.16 REF**392.2 ; REF**392.2 REF**350.1 54.31,69.37 v1(55.06,69.37) ; REF**172.2 23.56,100.16 REF**172.2 ; v1(40.06,84.37) 39.31,84.37 REF**263.1 REF**261.2